# Altium PCB UltraZOhm_CarrierBoard.PcbDoc (part 9 of 12)
Units mm, origin at the board's own origin, x right, y up, seen from the top; angles counter-clockwise.
Board outline 350 x 128 mm, 6 copper layers (Top Layer, L02_GND, L03_Sig, L04_Sig, L05_VCC, Bottom Layer), stack 2.021 mm thick; 851 components, 1243 nets, 4332 pads, 2446 vias.
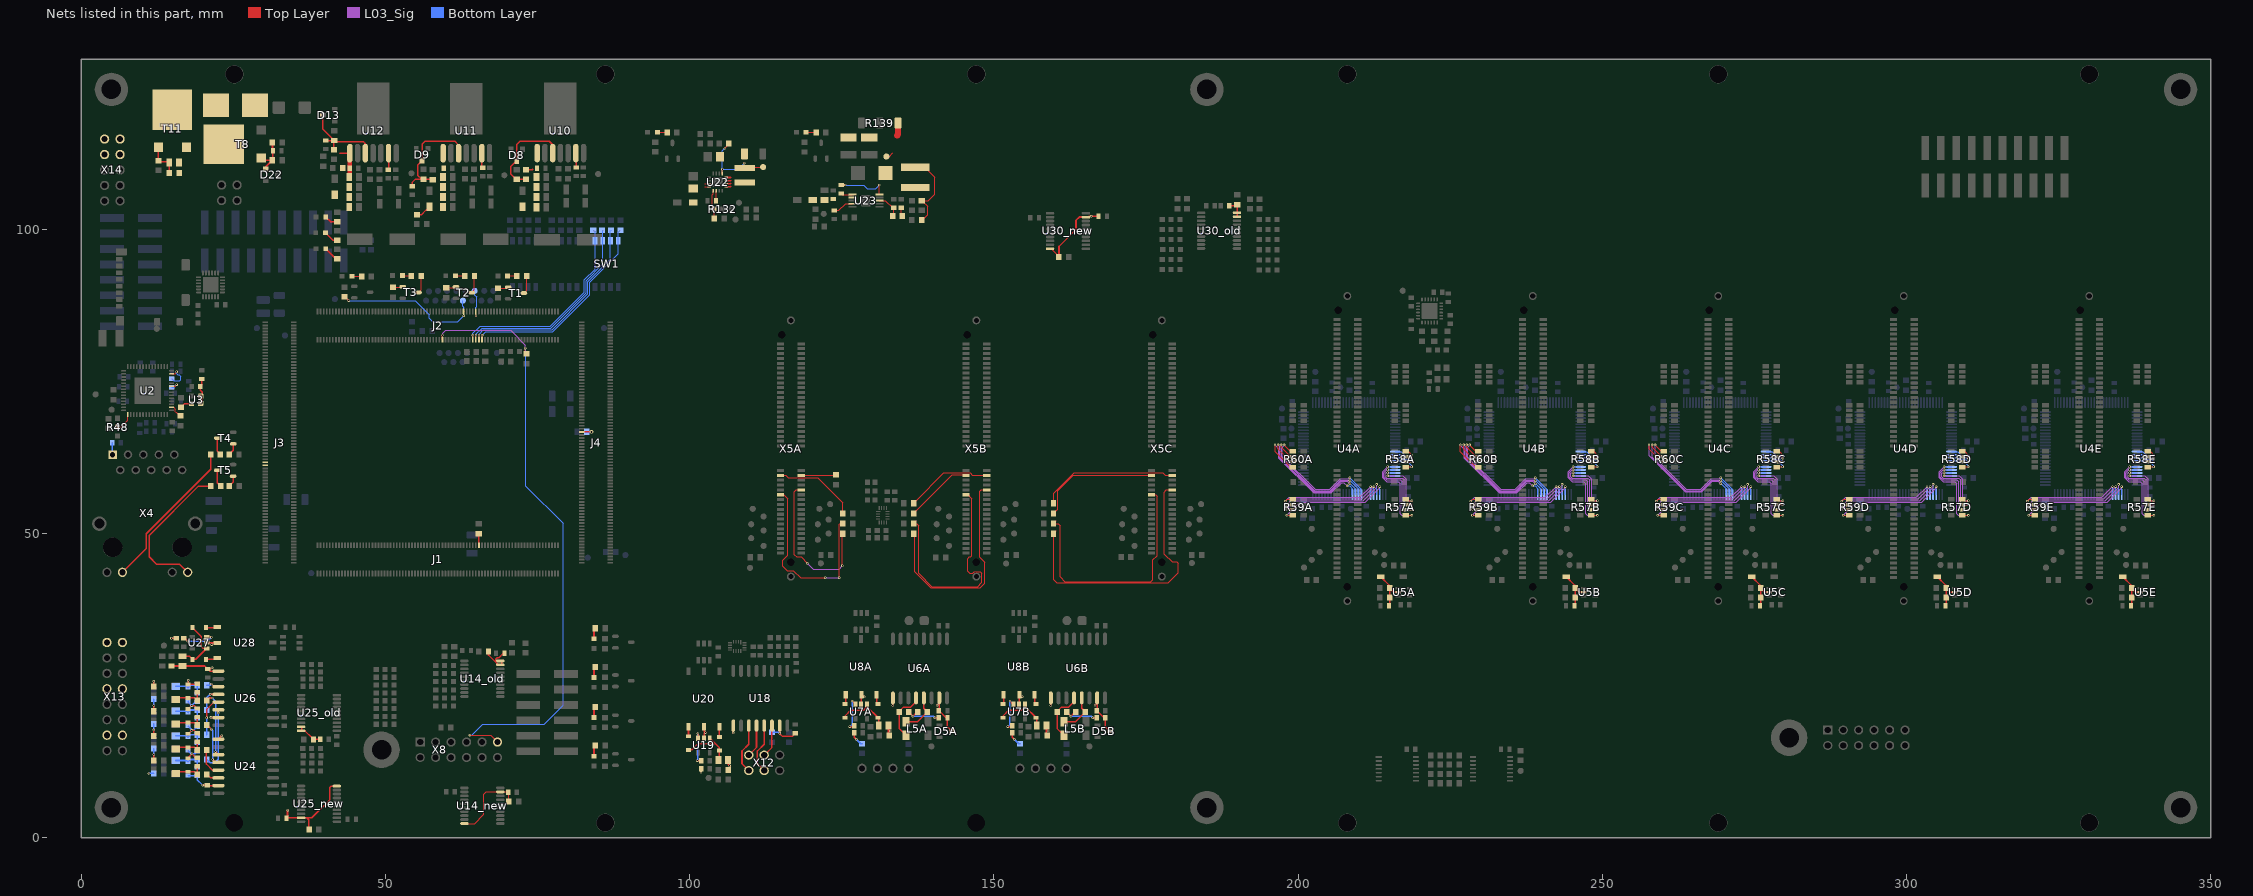
[diagram p13: the nets of this part, all layers, seen from the top]

## Via types
v1: diameter 0.4, hole 0.2, Top Layer to Bottom Layer, tented bottom, 866 vias
v2: diameter 0.4, hole 0.2, Top Layer to Bottom Layer, tented both sides, 783 vias
v3: diameter 0.6, hole 0.3, Top Layer to Bottom Layer, tented both sides, 508 vias
v4: diameter 0.6, hole 0.3, Top Layer to Bottom Layer, tented bottom, 276 vias
v5: diameter 0.5, hole 0.2, Top Layer to Bottom Layer, tented bottom, 5 vias
v6: diameter 0.5, hole 0.3, Top Layer to Bottom Layer, tented bottom, 5 vias
v7: diameter 1, hole 0.5, Top Layer to Bottom Layer, tented bottom, 2 vias
v8: diameter 0.4, hole 0.2, Top Layer to Bottom Layer, 1 vias

## Nets (pads, with @x,y where several pads share a name; then routed paths per layer and width w, separated by ;. In a path a pad name is that pad's centre, name@x,y a point inside that pad or via, vN(x,y) a via of type N, cw(c..) or ccw(c..) an arc to the next point about the centre after c; other vN are vias at no path point) (continued)
GND_ISOCANA: C35A.1 C36A.2 C39A.2 C40A.2 D5A.3 R79A.1 R81A.1 U6A.9 U6A.15 U7A.2 U8A.5 | length 15.1
  Top Layer w0.254: C40A.2@127.061,17.27 127.061,16.551 v2(127.381,16.231) ; U7A.2@128.202,21.958 128.242,21.998 U8A.5@128.242,23.556 128.608,23.19 v2(128.727,23.19) ; C39A.2@132.688,18.464 C39A.2@132.688,17.883 ; R81A.1@132.79,16.861 132.688,16.962 C39A.2@132.688,17.883 ; v2(132.994,17.577) C39A.2@132.688,17.883 ; v2(133.401,21.768) 133.409,21.776 U6A.9@133.409,23.02 ; v2(140.665,21.819) U6A.15@141.029,22.183 ; U6A.15@141.029,23.02 U6A.15@141.029,22.183 ; D5A.3@143.135,17.527 142.364,18.297 C36A.2@142.364,19.767 142.13,19.767 C35A.1@140.964,20.933 140.964,21.178 141.029,21.243 U6A.15@141.029,22.183
  Bottom Layer w0.254: v2(127.381,16.231) 128.124,15.487 R79A.1@128.355,15.487
GND_ISOCANB: C35B.1 C36B.2 C39B.2 C40B.2 D5B.3 R79B.1 R81B.1 U6B.9 U6B.15 U7B.2 U8B.5 | length 15.1
  Top Layer w0.254: C40B.2@153.013,17.271 153.013,16.551 v2(153.333,16.231) ; U7B.2@154.155,21.958 154.195,21.998 U8B.5@154.195,23.556 154.56,23.191 v2(154.679,23.191) ; C39B.2@158.641,18.464 C39B.2@158.641,17.883 ; R81B.1@158.742,16.861 158.641,16.963 C39B.2@158.641,17.883 ; v2(158.947,17.577) C39B.2@158.641,17.883 ; v2(159.353,21.768) 159.362,21.777 U6B.9@159.362,23.02 ; v2(166.617,21.819) U6B.15@166.982,22.183 ; U6B.15@166.982,23.02 U6B.15@166.982,22.183 ; D5B.3@169.087,17.527 168.317,18.298 C36B.2@168.317,19.768 168.082,19.768 C35B.1@166.917,20.933 166.917,21.178 166.982,21.243 U6B.15@166.982,22.183
  Bottom Layer w0.254: v2(153.333,16.231) 154.076,15.488 R79B.1@154.307,15.488
GND_ISOGPIO: C97.2 C99.2 C104.2 C105.2 C106A.1 C106B.1 C106C.1 C106D.1 C106E.1 C106F.1 C106G.1 C106H.1 D21A.2 D21B.2 D21C.2 D21D.2 D21E.2 D21F.2 D21G.2 D21H.2 R164.1 R171A.2 R171B.2 R171C.2 R171D.2 R171E.2 R171F.2 R171G.2 R171H.2 U24.9 U24.15 U26.9 U26.15 U27.2 U28.5 X13.2 X13.5 X13.8 X13.10 X13.13 X13.16 | length 42.5
  Top Layer w0.254: v2(11.938,21.768) 11.955,21.751 R171E.2@11.955,20.828 ; v2(11.938,25.756) 11.938,24.908 R171F.2@11.955,24.892 ; R171B.2@11.955,16.764 11.955,17.746 v2(11.963,17.755) ; R171A.2@11.96,12.75 11.96,13.713 v2(11.963,13.716) ; v2(14.859,32.817) 14.866,32.81 C105.2@15.636,32.81 ; R164.1@14.874,28.262 C104.2@16.652,28.262 20.332,28.262 C99.2@20.818,27.776 ; D21B.2@17.581,17.117 v2@18.139,17.675 ; D21E.2@17.581,21.181 v2@18.15,21.75 ; D21A.2@17.586,13.103 17.586,13.186 v2(18.225,13.825) 18.854,13.196 C106A.1@19.11,13.196 ; v2(17.602,25.933) 17.581,25.912 D21F.2@17.581,25.245 19.012,25.245 C106F.1@19.105,25.338 ; v2(18.175,17.675) 18.639,17.675 C106B.1@19.105,17.21 ; v2(18.175,21.75) 18.628,21.75 C106E.1@19.105,21.274 ; v2(19.964,8.687) 19.978,8.674 C97.2@20.716,8.674 20.781,8.609 U24.15@22.566,8.609 ; U27.2@20.646,32.11 22.31,32.11 U28.5@22.369,32.051 21.764,32.051 v2(21.488,31.775) ; v2(21.336,19.812) 21.363,19.785 U26.15@22.566,19.785 ; v2(21.539,27.965) 21.35,27.776 C99.2@20.818,27.776 ; U24.9@22.566,16.229 23.139,16.802 v2(23.139,16.815) ; U26.9@22.566,27.405 21.189,27.405 C99.2@20.818,27.776
  Bottom Layer w0.254: v2(11.151,10.592) 11.172,10.614 R171C.2@11.955,10.614 ; v2(11.938,21.768) 11.955,21.785 R171H.2@11.955,22.806 ; R171D.2@11.955,14.678 11.955,13.725 v2(11.963,13.716) ; R171G.2@11.955,18.742 11.955,17.763 v2(11.963,17.755) ; D21C.2@17.581,10.261 19.012,10.261 C106C.1@19.105,10.168 19.105,9.546 v2(19.964,8.687) ; D21D.2@17.581,14.325 18.08,13.825 v2(18.225,13.825) 18.698,13.825 C106D.1@19.105,14.232 ; D21G.2@17.581,18.389 18.175,17.794 v2(18.175,17.675) ; D21H.2@17.581,22.453 17.581,22.344 v2(18.175,21.75) ; v2@18.139,17.675 v2(18.175,17.675) ; v2@18.15,21.75 v2(18.175,21.75) ; C106G.1@19.105,18.296 18.484,17.675 v2(18.175,17.675) ; C106H.1@19.105,22.36 18.785,22.36 v2(18.175,21.75)
GND_ISOSPI: C80.2 C83.2 C84.2 R121.2 R127.1 U18.9 U18.15 U19.2 U20.5 | length 11.3
  Top Layer w0.254: v2(101.879,10.77) 101.914,10.804 C84.2@101.914,11.407 ; U19.2@102.36,16.417 102.4,16.457 102.4,17.323 ; U20.5@102.4,18.269 102.4,17.539 v2(102.616,17.323) ; R127.1@106.335,11.153 106.578,11.396 v2(106.578,11.887) 106.335,12.131 C83.2@106.335,12.804 ; U18.9@107.186,18.464 107.186,17.274 v2(107.188,17.272) ; U18.15@114.806,18.464 v2(114.806,17.193) 114.806,17.147 115.265,16.688 116.854,16.688 C80.2@117.396,17.23
  Bottom Layer w0.254: R121.2@113.536,17.338 114.661,17.338 v2(114.806,17.193)
GPIO_3V3_1: R169A.2 U24.14 | length 2.1
  Top Layer w0.254: R169A.2@20.672,10.464 21.257,9.879 U24.14@22.566,9.879
GPIO_3V3_2: R169B.2 U24.13 | length 4.7
  Top Layer w0.254: R169B.2@20.667,14.478 20.6,14.411 20.6,12.15 21.601,11.149 U24.13@22.566,11.149
GPIO_3V3_3: R169C.2 U26.14 | length 10.5
  Top Layer w0.254: v2(22.55,20.55) 22.566,20.566 U26.14@22.566,21.055
  Bottom Layer w0.254: R169C.2@20.667,12.9 21.216,12.35 21.975,12.35 22.55,12.925 v2(22.55,20.55)
GPIO_3V3_4: R169D.2 U26.13 | length 6.6
  Top Layer w0.254: v2(20.625,19.775) 20.625,21.1 21.85,22.325 U26.13@22.566,22.325
  Bottom Layer w0.254: v2(20.625,19.775) 20.625,17.005 R169D.2@20.667,16.964
GPIO_3V3_5: R169E.2 U24.12 | length 7.3
  Top Layer w0.254: R169E.2@20.667,18.542 20.808,18.542 20.808,18.492 v2(21.4,17.9) ; v2(21.625,12.9) 22.106,12.419 U24.12@22.566,12.419
  Bottom Layer w0.254: v2(21.4,17.9) 21.625,17.675 v2(21.625,12.9)
GPIO_3V3_6: R169F.2 U24.11 | length 10.8
  Top Layer w0.254: R169F.2@20.667,22.606 20.667,22.558 21.109,23 v2(21.55,23) ; v2(22.1,14.2) 22.1,14.155 U24.11@22.566,13.689
  Bottom Layer w0.254: v2(21.55,23) 22.1,22.45 v2(22.1,14.2)
GPIO_3V3_7: R169G.2 U26.12 | length 4.2
  Top Layer w0.254: v2(21.225,23.625) 21.255,23.595 U26.12@22.566,23.595
  Bottom Layer w0.254: R169G.2@20.667,21.028 20.667,23.067 v2(21.225,23.625)
GPIO_3V3_8: R169H.2 U26.11 | length 2.2
  Top Layer w0.254: v2(21.425,25.3) 21.86,24.865 U26.11@22.566,24.865
  Bottom Layer w0.254: R169H.2@20.667,25.092 21.217,25.092 v2(21.425,25.3)
IN2_N: J3.68
IN2_P: J3.66
INIT_B: J2.98 R198.1 TP9.1 | length 25.4
  Top Layer w0.1: R198.1@43.299,88.9 43.4,88.9 v2(44,88.3) ; J2.98@62.872,86.521 62.9,86.493 v2(62.9,85.8)
  Bottom Layer w0.1: v2(44,88.3) 54.9,88.3 57.2,86 57.2,85.4 57.8,84.8 61.9,84.8 v2(62.9,85.8) 62.9,87.2 62.742,87.358 TP9.1@62.742,88.298
ISOSPI_CS_3V3: U18.12 X12.6 | length 5.4
  Top Layer w0.254: X12.6@109.726,13.617 110.996,14.887 U18.12@110.996,18.464
ISOSPI_MISO_3V3: U18.11 X12.3 | length 8.3
  Top Layer w0.254: X12.3@109.726,11.077 108.61,12.192 108.61,14.299 109.726,15.415 U18.11@109.726,18.464
ISOSPI_MOSI_3V3: U18.13 X12.2 | length 8.3
  Top Layer w0.254: X12.2@112.266,11.077 111.15,12.192 111.15,14.299 112.266,15.415 U18.13@112.266,18.464
ISOSPI_SCLK_3V3: U18.14 X12.5 | length 5.4
  Top Layer w0.254: X12.5@112.266,13.617 113.536,14.887 U18.14@113.536,18.464
LP_GOOD: J2.106 TP12.1 | length 5
  Top Layer w0.1: J2.106@64.872,86.521 64.872,85.828 v2(64.9,85.8)
  Bottom Layer w0.1: TP12.1@64.684,89.898 64.684,89.216 65,88.9 65,87.3 64.9,87.2 v2(64.9,85.8)
MODE0: J2.109 R11.1 SW1.8 | length 33.9
  Top Layer w0.1: J2.109@65.872,81.851 65.9,81.879 v2(65.9,82.6)
  Bottom Layer w0.1: v2(65.9,82.6) 66.5,83.2 77.5,83.2 83.6,89.3 83.6,91.3 88.271,95.971 SW1.8@88.271,98.156
  Bottom Layer w0.2: SW1.8@88.271,98.156 88.271,99.54 R11.1@88.613,99.882
MODE1: J2.107 R12.1 SW1.7 | length 33.6
  Top Layer w0.1: J2.107@65.372,81.851 65.4,81.879 v2(65.4,82.6)
  Bottom Layer w0.1: v2(65.4,82.6) 65.4,82.8 66.1,83.5 77.4,83.5 83.3,89.4 83.3,91.4 87.001,95.101 SW1.7@87.001,98.156
  Bottom Layer w0.2: SW1.7@87.001,98.156 87.001,99.792 R12.1@87.091,99.882
MODE2: J2.105 R13.1 SW1.6 | length 33.3
  Top Layer w0.1: J2.105@64.872,81.851 64.9,81.879 v2(64.9,82.6)
  Bottom Layer w0.1: v2(64.9,82.6) 64.9,82.8 65.9,83.8 77.2,83.8 83,89.6 83,91.6 85.731,94.331 SW1.6@85.731,98.156
  Bottom Layer w0.2: R13.1@85.631,99.882 85.731,99.782 SW1.6@85.731,98.156
MODE3: J2.103 R14.1 SW1.5 | length 33.2
  Top Layer w0.1: J2.103@64.372,81.851 64.4,81.879 v2(64.4,82.6)
  Bottom Layer w0.1: v2(64.4,82.6) 64.4,82.9 65.6,84.1 77.1,84.1 82.7,89.7 82.7,91.7 84.461,93.461 SW1.5@84.461,98.156
  Bottom Layer w0.2: R14.1@84.171,99.882 84.461,99.592 SW1.5@84.461,98.156
MR: J2.83 R202.1 X8.11 | length 101
  Top Layer w0.1: J2.83@59.372,81.851 59.372,82.572 v2(59.4,82.6) ; v1(63.9,16.9) 67.302,16.9 X8.11@68.436,15.767 ; v1(73,80.5) 73,79.73 R202.1@73.182,79.549
  L03_Sig w0.1: v2(59.4,82.6) 59.4,82.9 59.9,83.4 70.6,83.4 73,81 v1(73,80.5)
  Bottom Layer w0.1: v1(63.9,16.9) 64.2,16.9 66,18.7 76.1,18.7 79.2,21.8 79.2,51.7 73.1,57.8 73.1,80.4 v1(73,80.5)
NetC3_2: C3.2 L3.2 U3.1 U3.4 | length 4.4
  Top Layer w0.254: U3.4@19.65,71.401 19.937,71.688 19.937,73.263 19.586,73.614 C3.2@19.586,74.191 19.851,74.456 L3.2@19.851,75.436
NetC4_1: C4.1 X4.1 | length 2
  Bottom Layer w0.254: C4.1@5.131,64.964 5.131,63.051 X4.1@5.176,63.007
NetC21_1: C21.1 U2.37 | length 1.9
  Top Layer w0.1: U2.37@14.875,74.255 15.455,74.255 v2(15.7,74.5)
  Bottom Layer w0.1: C21.1@14.88,74.051 15.251,74.051 v2(15.7,74.5)
NetC21_2: C21.2 U2.41 | length 4.5
  Top Layer w0.1: U2.41@14.875,76.255 15.455,76.255 15.7,76.5 v2(15.7,76.6)
  Bottom Layer w0.1: C21.2@14.88,75.48 C21.2@14.88,75.451 15.231,75.1 16.2,75.1 16.4,75.3 16.4,75.8 16.12,76.08 15.92,76.08 15.7,76.3 v2(15.7,76.6)
NetC25A_2: C25A.2 D4A.1 R74A.2 R75A.1 U5A.2 | length 7.2
  Top Layer w0.254: D4A.1@213.571,42.945 215.03,41.486 R74A.2@215.03,41.056 ; C25A.2@214.93,38.135 215.03,38.235 R75A.1@215.03,39.532 R74A.2@215.03,41.056 ; U5A.2@216.455,40.378 215.708,40.378 R74A.2@215.03,41.056
NetC25B_2: C25B.2 D4B.1 R74B.2 R75B.1 U5B.2 | length 7.2
  Top Layer w0.254: D4B.1@244.051,42.945 245.51,41.486 R74B.2@245.51,41.056 ; C25B.2@245.41,38.135 245.51,38.235 R75B.1@245.51,39.532 R74B.2@245.51,41.056 ; U5B.2@246.935,40.378 246.188,40.378 R74B.2@245.51,41.056
NetC25C_2: C25C.2 D4C.1 R74C.2 R75C.1 U5C.2 | length 7.2
  Top Layer w0.254: D4C.1@274.531,42.945 275.99,41.486 R74C.2@275.99,41.056 ; C25C.2@275.89,38.135 275.99,38.235 R75C.1@275.99,39.532 R74C.2@275.99,41.056 ; U5C.2@277.415,40.378 276.668,40.378 R74C.2@275.99,41.056
NetC25D_2: C25D.2 D4D.1 R74D.2 R75D.1 U5D.2 | length 7.2
  Top Layer w0.254: D4D.1@305.011,42.945 306.47,41.486 R74D.2@306.47,41.056 ; C25D.2@306.37,38.135 306.47,38.235 R75D.1@306.47,39.532 R74D.2@306.47,41.056 ; U5D.2@307.895,40.378 307.148,40.378 R74D.2@306.47,41.056
NetC25E_2: C25E.2 D4E.1 R74E.2 R75E.1 U5E.2 | length 7.2
  Top Layer w0.254: D4E.1@335.491,42.945 336.95,41.486 R74E.2@336.95,41.056 ; C25E.2@336.85,38.135 336.95,38.235 R75E.1@336.95,39.532 R74E.2@336.95,41.056 ; U5E.2@338.375,40.378 337.628,40.378 R74E.2@336.95,41.056
NetC36A_1: C36A.1 R76A.2 R77A.1 | length 6.4
  Top Layer w0.254: R77A.1@136.038,20.731 136.038,20.68 v2(136.703,20.015) 137.419,20.731 R76A.2@137.486,20.731 ; v2(140.31,19.761) 140.958,19.761 C36A.1@140.964,19.767
  Bottom Layer w0.254: v2(136.703,20.015) 140.056,20.015 v2(140.31,19.761)
NetC36B_1: C36B.1 R76B.2 R77B.1 | length 6.4
  Top Layer w0.254: R77B.1@161.99,20.731 161.99,20.68 v2(162.655,20.016) 163.371,20.731 R76B.2@163.438,20.731 ; v2(166.262,19.762) 166.91,19.762 C36B.1@166.917,19.768
  Bottom Layer w0.254: v2(162.655,20.016) 166.008,20.016 v2(166.262,19.762)
NetC37A_1: C37A.1 U7A.3 | length 5.9
  Top Layer w0.254: v2(126.314,18.313) 126.96,18.313 C37A.1@127.061,18.415 ; v2(126.695,22.504) 126.706,22.504 U7A.3@127.252,21.958
  Bottom Layer w0.254: v2(126.314,18.313) 126.34,18.313 126.695,18.669 v2(126.695,22.504)
NetC37B_1: C37B.1 U7B.3 | length 5.9
  Top Layer w0.254: v2(152.266,18.314) 152.912,18.314 C37B.1@153.013,18.415 ; v2(152.647,22.505) 152.658,22.505 U7B.3@153.205,21.958
  Bottom Layer w0.254: v2(152.266,18.314) 152.292,18.314 152.647,18.669 v2(152.647,22.505)
NetC39A_1: C39A.1 D6A.1 D7A.1 U7A.1 | length 8.9
  Top Layer w0.254: D7A.1@125.535,19.77 125.535,20.035 126.5,21 128.6,21 129.152,21.552 U7A.1@129.152,21.614 ; U7A.1@129.152,21.958 U7A.1@129.152,21.614 ; C39A.1@131.088,18.464 131.088,19.678 D6A.1@130.996,19.77 U7A.1@129.152,21.614
NetC39B_1: C39B.1 D6B.1 D7B.1 U7B.1 | length 8.9
  Top Layer w0.254: D7B.1@151.488,19.77 151.488,20.036 152.452,21 154.552,21 155.105,21.553 U7B.1@155.105,21.614 ; U7B.1@155.105,21.958 U7B.1@155.105,21.614 ; C39B.1@157.041,18.464 157.041,19.678 D6B.1@156.949,19.77 U7B.1@155.105,21.614
NetC41_1: C41.1 C42.1 C43.1 C44.1 C45.2 L6.2 R84.1 U10.1 | length 1.1
  Top Layer w0.254: R84.1@73.133,109.828 74.183,109.828 74.235,109.88
NetC50_1: C50.1 U10.6 | length 2.4
  Top Layer w0.254: U10.6@81.309,112.549 81.355,112.503 C50.1@81.355,110.174
NetC51_1: C51.1 C52.1 C53.1 C54.1 C55.2 L7.2 R221.2 U11.1 | length 2.8
  Top Layer w0.254: R221.2@55.2,102.4 55.229,102.429 55.932,102.429 56.697,103.194 56.897,103.194 57.27,103.567 L7.2@57.27,103.767
NetC60_1: C60.1 U11.6 | length 2.5
  Top Layer w0.254: U11.6@65.855,112.525 65.855,110.272 C60.1@66.002,110.125
NetC61_1: C61.1 C62.1 C63.1 C64.1 C65.2 L8.2 R223.2 U12.1 | length 5.5
  Top Layer w0.254: 42.551,112.513 U12.1@44.155,112.513
  Top Layer w0.762: C64.1@44.083,108.623 44.155,108.695 C65.2@44.155,110.053 U12.1@44.155,112.513
NetC70_1: C70.1 U12.6 | length 2.8
  Top Layer w0.254: C70.1@50.483,109.805 50.529,109.851 U12.6@50.529,112.537
NetC73_2: C73.2 R104.1 U14_old.19 U14_old.20 | length 6.4
  Top Layer w0.254: R104.1@66.956,30.619 66.956,30.072 68.123,28.905 ; U14_old.20@69.107,29.125 69.107,28.55 69.107,28.475 68.8,28.475 68.553,28.475 68.478,28.55 68.123,28.905 ; C73.2@69.599,30.377 69.442,30.377 68.682,29.616 68.377,29.616 68.123,29.362 68.123,28.905
NetC81_1: C81.1 U19.3 | length 6
  Top Layer w0.254: v2(101.244,12.725) 101.866,12.725 C81.1@101.914,12.677 ; v2(101.371,17.17) 101.41,17.131 U19.3@101.41,16.417
  Bottom Layer w0.254: v2(101.244,12.725) 101.371,12.852 v2(101.371,17.17)
NetC83_1: C83.1 D14.1 D15.1 U19.1 | length 9.2
  Top Layer w0.254: D15.1@99.82,14.483 100.336,14.483 101.371,15.519 104.208,15.519 ; U19.1@103.31,16.417 104.208,15.519 ; C83.1@104.735,12.804 104.9,12.969 D14.1@104.9,14.356 104.9,14.827 104.208,15.519
NetC85_1: C85.1 L9.2 R132.3 R134.2 U22.7 U22.8 U22.9 | length 6.3
  Top Layer w0.2: 102.5,107 102.532,107.032 U22.8@103.223,107.032 ; 102.5,107.5 102.532,107.532 U22.7@103.223,107.532 ; U22.9@103.873,106.382 103.873,105.873 103.7,105.7 103.7,103.649 104.012,103.337 104.077,103.272 R134.2@104.077,101.813
NetC86_1: C86.1 L10.2 R130.1 R135.2 TP75.1 U22.1 | length 12.5
  Top Layer w0.2: U22.1@105.373,109.182 105.373,109.873 v2(105.4,109.9) ; v2(105.8,113.3) 106.465,113.965 R135.2@106.465,114.107 ; L10.2@109.068,110.11 109.204,110.246 TP75.1@112.091,110.246
  Bottom Layer w0.2: v2(105.8,113.3) 105.4,112.9 v2(105.4,109.9) 108,109.9 v1(109,110.9)
NetC87_1: C87.1 U22.10 | length 1.7
  Top Layer w0.2: C87.1@104.358,104.709 104.373,104.724 U22.10@104.373,106.382
NetC88_1: C88.1 D17.1 L12.1 U23.10 | length 8.4
  Top Layer w0.2: C88.1@124.893,107.314 125.586,107.314 v1(125.6,107.3) ; v1(131.2,107.3) 131.2,105.741 U23.10@131.207,105.734
  Bottom Layer w0.2: v1(125.6,107.3) 128.6,107.3 129.2,106.7 130.6,106.7 v1(131.2,107.3)
NetC88_2: C88.2 U23.1 | length 1.9
  Top Layer w0.2: C88.2@124.893,105.914 125.072,105.734 U23.1@126.757,105.734
NetC89_1: C89.1 C90.2 L11.2 U23.2
NetC91_2: C91.2 U23.4 | length 3.4
  Top Layer w0.2: C91.2@123.8,103.123 124.523,103.123 125.634,104.234 U23.4@126.757,104.234
NetC92_2: C92.2 C93.2 L12.2 R139.1 R140.1 R141.1 TP78.1 | length 16.7
  Top Layer w0.2: TP78.1@132.335,111.973 132.773,111.973 133.4,112.6 ; L12.2@137.059,110.225 138.675,110.225 140.3,108.6 140.3,105.8 139.222,104.722 R141.1@138.151,104.722 139.1,103.773 139.1,102.4 138.234,101.534 R140.1@138.139,101.534
  Top Layer w1: 134.125,115.45 134.245,115.57 R139.1@134.245,117.477
NetC94_1: C94.1 R143.2 | length 1.4
  Top Layer w0.2: C94.1@134.748,103.552 134.748,102.41 R143.2@134.964,102.194
NetC95_1: C95.1 R143.1 U23.8 | length 4.2
  Top Layer w0.2: U23.8@131.207,104.734 132.166,104.734 133.348,103.552 C95.1@133.529,103.552 133.529,102.359 R143.1@133.364,102.194
NetC101_1: C101.1 R149.1 U25_new.10 U25_new.19 | length 14.9
  Top Layer w0.254: v1(33.975,4.575) 33.925,4.525 33.925,3.3 36.225,3.3 U25_new.19@36.25,3.325 ; U25_new.19@36.15,3.325 U25_new.19@36.25,3.325 ; R149.1@37.5,1.4 37.443,1.457 37.443,2.957 37.4,3 37.4,3.013 37.088,3.325 ; U25_new.10@41.95,8.525 41.125,8.525 40.9,8.3 40.9,6.3 37.925,3.325 37.088,3.325 ; U25_new.19@36.25,3.325 37.088,3.325
NetC102_1: C102.1 U27.3 | length 5.8
  Top Layer w0.254: C102.1@16.906,32.81 17.04,32.81 v2(17.5,32.35) ; U27.3@20.646,33.06 20.706,33 v2(21.425,33)
  Bottom Layer w0.254: v2(17.5,32.35) 20.775,32.35 v2(21.425,33)
NetC104_1: C104.1 D19.1 D20.1 U27.1 | length 9.7
  Top Layer w0.254: C104.1@16.652,29.862 17.831,29.862 D19.1@18.331,29.362 18.848,29.362 U27.1@20.646,31.16 20.04,31.16 19.725,31.475 19.725,33.159 D20.1@18.331,34.553
NetC106A_2: C106A.2 D21A.1 R169A.1 R170A.1 | length 5.1
  Top Layer w0.254: R170A.1@15.554,10.634 15.793,10.873 D21A.1@17.586,10.873 18.663,10.873 R169A.1@19.072,10.464 19.11,10.502 C106A.2@19.11,11.796
NetC106B_2: C106B.2 D21B.1 R169B.1 R170B.1 | length 5.1
  Top Layer w0.254: R170B.1@15.549,14.648 15.788,14.887 D21B.1@17.581,14.887 18.658,14.887 R169B.1@19.067,14.478 19.105,14.516 C106B.2@19.105,15.81
NetC106C_2: C106C.2 D21C.1 R169C.1 R170C.1 | length 5.1
  Bottom Layer w0.254: R170C.1@15.549,12.73 17.342,12.73 D21C.1@17.581,12.491 17.99,12.9 R169C.1@19.067,12.9 19.067,11.606 C106C.2@19.105,11.568
NetC106D_2: C106D.2 D21D.1 R169D.1 R170D.1 | length 5.1
  Bottom Layer w0.254: R170D.1@15.549,16.794 17.342,16.794 D21D.1@17.581,16.555 17.99,16.964 R169D.1@19.067,16.964 19.067,15.67 C106D.2@19.105,15.632
NetC106E_2: C106E.2 D21E.1 R169E.1 R170E.1 | length 5.1
  Top Layer w0.254: R170E.1@15.549,18.712 15.788,18.951 D21E.1@17.581,18.951 18.658,18.951 R169E.1@19.067,18.542 19.105,18.58 C106E.2@19.105,19.874
NetC106F_2: C106F.2 D21F.1 R169F.1 R170F.1 | length 5.1
  Top Layer w0.254: R170F.1@15.549,22.776 15.788,23.015 D21F.1@17.581,23.015 18.658,23.015 R169F.1@19.067,22.606 19.105,22.644 C106F.2@19.105,23.938
NetC106G_2: C106G.2 D21G.1 R169G.1 R170G.1 | length 5.1
  Bottom Layer w0.254: R170G.1@15.549,20.858 17.342,20.858 D21G.1@17.581,20.619 17.99,21.028 R169G.1@19.067,21.028 19.067,19.734 C106G.2@19.105,19.696
NetC106H_2: C106H.2 D21H.1 R169H.1 R170H.1 | length 5.1
  Bottom Layer w0.254: R170H.1@15.549,24.922 17.342,24.922 D21H.1@17.581,24.683 17.99,25.092 R169H.1@19.067,25.092 19.067,23.798 C106H.2@19.105,23.76
NetC107_2: C107.2 D22.1 R172.1 R173.2 T8.1 | length 6.7
  Top Layer w0.254: T8.1@29.616,111.712 29.959,111.369 R173.2@31.436,111.369 30.348,110.282 D22.1@30.348,109.91 ; R172.1@31.458,114.3 31.458,113.018 C107.2@31.524,112.951 R173.2@31.524,111.458
NetC108_2: C108.2 R192.1 U30_old.19 U30_old.20 | length 3.4
  Top Layer w0.254: C108.2@188.686,103.895 C108.2@188.689,103.899 189.839,103.899 R192.1@190.001,104.061 U30_old.20@190.001,102.805 ; U30_old.19@189.85,102.075 189.914,102.075 189.982,102.142 U30_old.20@189.982,102.786
NetC118_1: C118.1 R211.1 U30_new.10 U30_new.19 | length 13
  Top Layer w0.1: U30_new.10@159.329,96.821 159.429,96.821 160.3,95.95 R211.1@160.7,95.55
  Top Layer w0.254: U30_new.19@165.249,102.021 165.469,102.021 165.632,102.184 v2(166.014,102.184) C118.1@167.17,102.184
  Top Layer w0.3: R211.1@160.7,95.5 160.7,95.55 160.7,97.2 163.5,100 163.5,101.5 164.021,102.021 165.029,102.021 U30_new.19@165.249,102.021
NetC120_2: C120.2 R218.1 U25_old.19 U25_old.20 | length 4.3
  Top Layer w0.254: U25_old.19@36.256,18.272 36.256,17.622 36.284,17.594 36.806,17.594 37.827,16.573 37.877,16.573 38.2,16.25 R218.1@38.2,16.2 C120.2@39.3,16.2
NetC121_1: C121.1 R219.2 T11.3 X14.1 X14.2 X14.6 X14.7
NetC121_2: C121.2 R219.1 R220.2 T11.1 | length 5.8
  Top Layer w0.254: T11.1@12.7,113.5 R220.2@12.7,111.3 12.85,111.15 14.35,111.15 C121.2@14.5,111 R219.1@14.5,109.3
NetC122_1: C122.1 D9.3 R88.2 R89.2 U11.3 | length 18.3
  Top Layer w0.254: C122.1@54.4,107.1 54.4,107.7 54.969,108.269 R89.2@55.946,108.269 ; R88.2@57.752,108.278 56.257,108.278 R89.2@56.249,108.269 R89.2@55.946,108.269 ; U11.3@62.045,112.525 62.045,113.87 61.435,114.48 56.535,114.48 56.035,113.98 D9.3@56.035,111.3 55.335,110.6 55.335,108.88 R89.2@55.946,108.269
NetC123_1: C123.1 D13.3 R95.2 R96.2 U12.3 | length 14.7
  Top Layer w0.254: D13.3@39.717,118.786 39.717,116.509 R96.2@41.613,114.613 ; C123.1@40.2,114.6 41.526,114.6 R96.2@41.563,114.563 ; R95.2@41.563,113.125 R96.2@41.563,114.563 ; U12.3@46.719,112.537 46.719,114.096 46.435,114.38 41.846,114.38 R96.2@41.613,114.613 ; R96.2@41.563,114.563 R96.2@41.613,114.613
NetC125_1: C125.1 R225.1 U14_new.10 U14_new.19 | length 12.8
  Top Layer w0.2: U14_new.10@63.1,2.375 64.675,2.375 66.2,3.9 66.2,7.2 66.575,7.575 68.8,7.575 70.125,7.575 C125.1@70.2,7.5 70.3,7.4 R225.1@70.3,6
NetD1_1: D1.1 R2.1 | length 1.5
  Top Layer w0.2: D1.1@70.108,92.359 71.61,92.359 R2.1@71.618,92.367
NetD2_1: D2.1 R4.1 | length 1.5
  Top Layer w0.2: D2.1@61.533,92.379 R4.1@63.054,92.38 R4.1@63.054,92.38
NetD3_1: D3.1 R6.1 | length 1.5
  Top Layer w0.2: D3.1@52.81,92.409 54.242,92.409 R6.1@54.276,92.376
NetD6A_2: D6A.2 U8A.6 | length 1.7
  Top Layer w0.254: U8A.6@130.742,23.556 130.742,22.254 D6A.2@130.996,22
NetD6B_2: D6B.2 U8B.6 | length 1.7
  Top Layer w0.254: U8B.6@156.695,23.556 156.695,22.254 D6B.2@156.949,22
NetD7A_2: D7A.2 U8A.4 | length 1.6
  Top Layer w0.254: D7A.2@125.535,22 125.662,22.127 U8A.4@125.662,23.556
NetD7B_2: D7B.2 U8B.4 | length 1.6